# Allegro board iMX6Rex module.brd (continued)
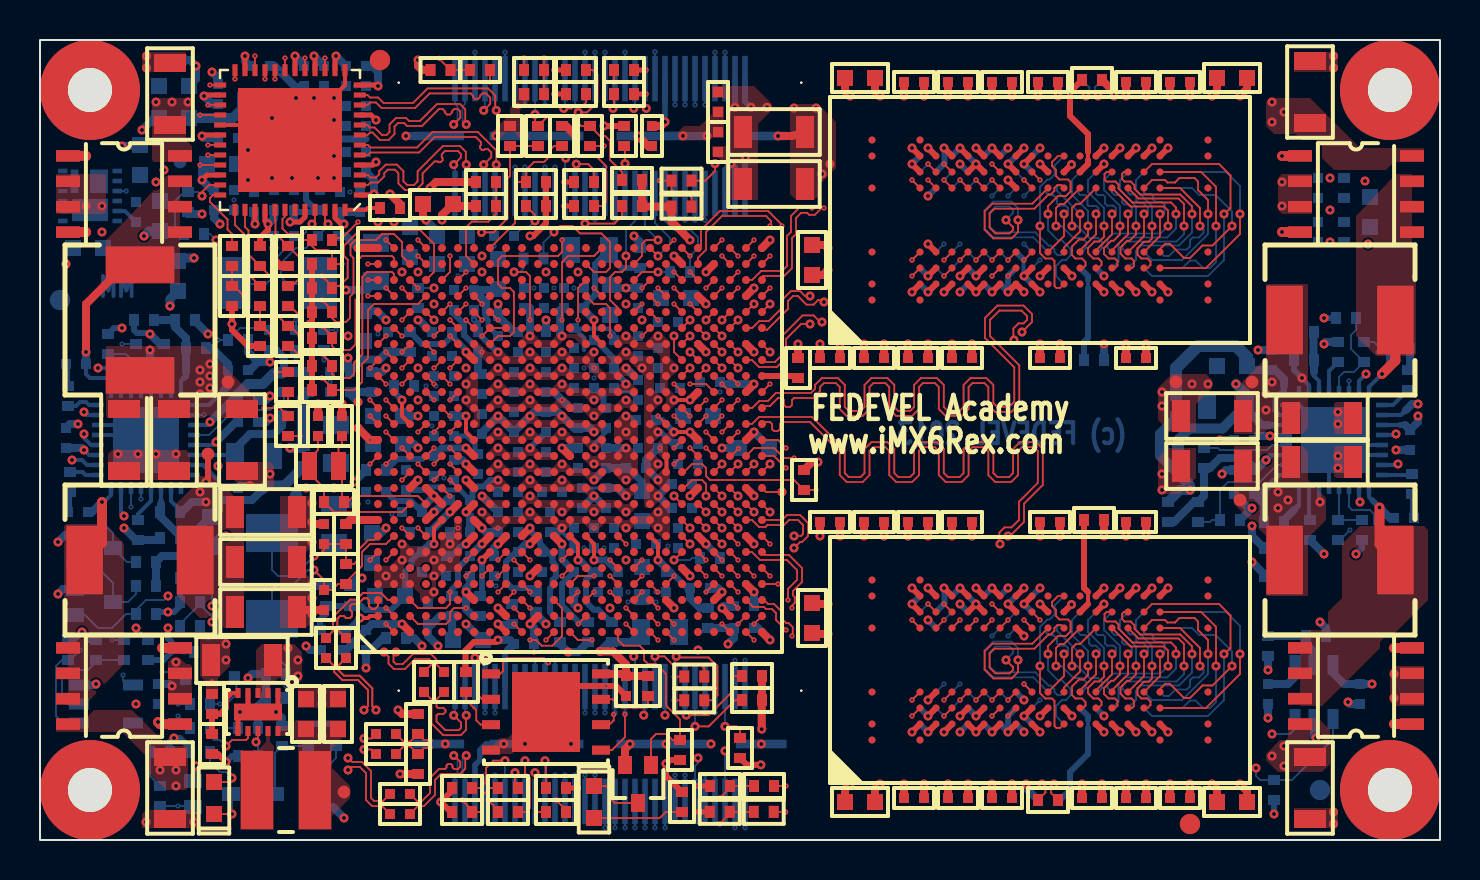
[diagram p0: board, top side]
## Routing (per net, layer and track width the routed paths; a pad name or vN(x,y) marks a point on that pad's centre or on a via; arc(x,y) is an arc through that point) (continued)
DRAM_CLK1_P: length 64
  TOP w0.09: v1(50.7,2.8) 50.55,2.65 50.55,2.35 R3.2 ; U2.J7 49.61,9.81 47.61,9.81 47.23,9.43 47.23,8.52 47.67,8.08 48.58,8.08 48.9,8.4 v1(48.9,9) ; U1.AD14 35.6,20.8 35.95,21.15 38.6,21.15 40.24,19.52 40.24,18.35 40.43,18.15 41.03,18.15 41.23,18.35 41.23,19.55 41.57,19.89 42.37,19.89 42.71,19.55 42.71,18.35 42.91,18.15 43.51,18.15 43.7,18.35 43.7,19.55 44.04,19.89 44.85,19.89 45.19,19.55 45.19,18.35 45.39,18.15 45.98,18.15 46.18,18.35 46.18,19.55 46.52,19.89 47.32,19.89 47.67,19.55 47.67,18.35 47.86,18.15 48.46,18.15 48.65,18.35 48.65,19.55 49,19.89 49.8,19.89 50.14,19.55 50.14,17.76 49.2,16.81 49.2,15.9 48.5,15.2 v1(48.4,15.2)
  L10 w0.085: v1(48.4,15.2) 48.88,14.72 48.88,14.32 49.95,13.25 50.27,13.25 50.65,12.87 50.65,11.15 49.85,10.35 49.85,9.93 49.37,9.45 49.06,9.45 48.9,9.29 v1(48.9,9) 48.8,8.9 48.8,8.6 49.22,8.18 50.41,8.18 51.2,7.4 51.2,4.5 50.5,3.8 50.5,3 v1(50.7,2.8)
  BOTTOM w0.09: v1(48.9,9) 48.9,9.6 48.58,9.92 47.67,9.92 47.23,9.48 47.23,8.57 47.66,8.14 49.66,8.14 U3.J7
DRAM_CS0_B: length 73.8
  TOP w0.093: U4.L2 52.15,28.6 52.27,28.73 52.27,28.9 52.1,29.08 51.77,29.08 51.6,29.25 51.6,29.68 51.95,30.02 52.17,30.02 52.4,30.25 v1(52.4,30.7) ; v1(52.4,8.7) 52.4,8.25 52.17,8.02 51.95,8.02 51.6,7.68 51.6,7.25 51.77,7.08 52.1,7.08 52.27,6.9 52.27,6.73 52.15,6.6 U2.L2 ; v2(31.7,22.8) U1.Y16
  L2 w0.1: v3(31.4,22.5) v2(31.7,22.8)
  L3 w0.08: v3(31.4,22.5) 31.71,22.82 32.41,22.82 32.9,23.3 32.9,24.53 33.14,24.78 36.66,24.78 37.28,24.15 50.4,24.15 50.55,24 50.55,23.75 50.4,23.6 50,23.6 49.85,23.45 49.85,23.2 50,23.05 50.4,23.05 50.55,22.9 50.55,22.65 50.4,22.5 50,22.5 49.85,22.35 49.85,22.1 50,21.95 50.35,21.95 50.5,21.8 50.5,21.55 50.35,21.4 50.1,21.4 v4(50,21.3)
  L10 w0.08: v1(52.4,30.7) 52.4,30.68 52.74,30.34 52.74,29.86 52.91,29.69 53.39,29.69 53.85,29.23 53.85,28.25 54,28.1 54.25,28.1 54.47,28.33 54.75,28.33 54.9,28.18 54.9,27.93 54.75,27.78 54.59,27.78 54.37,27.56 54.37,27.24 54.16,27.03 53.64,27.03 51.87,25.26 51.87,24.43 51.35,23.9 50.76,23.9 49.85,22.99 49.85,22.8 50,22.65 50.35,22.65 50.5,22.5 50.5,22.25 50.35,22.1 49.2,22.1 49.05,21.95 49.05,21.7 49.2,21.55 49.9,21.55 50,21.45 v4(50,21.3) 50,21.1 49.9,21 49.15,21 48.65,20.5 48.65,17.45 49.1,17 49.77,17 51,15.78 51.24,15.78 51.62,15.39 51.62,15 53.62,13 53.62,12.38 53.8,12.2 53.8,11 52.4,9.6 v1(52.4,8.7)
  BOTTOM w0.093: v1(52.4,30.7) 52.4,31.45 51.6,32.25 51.6,33 U5.L2 ; U3.L2 51.6,11 51.6,10.25 52.4,9.45 v1(52.4,8.7)
DRAM_D0: length 17.3
  TOP w0.093: v2(34.9,10.8) U1.AD2 ; v3(46.4,10.6) v2(46.8,11)
  L2 w0.1: v2(34.9,10.8) v3(35.2,11.1) ; v3(46.4,10.6) v2(46.8,11)
  L3 w0.08: v3(46.4,10.6) 46.1,10.9 45.5,10.9 45.2,11.2 45.2,11.4 44.9,11.7 44.29,11.7 44.01,11.43 43.44,11.43 43.22,11.64 43.22,11.98 43,12.2 43,12.65 42.61,13.04 39.66,13.04 39.25,12.63 37.15,12.63 36.8,12.98 35.47,12.98 35,12.51 35,11.3 v3(35.2,11.1)
DRAM_D1: length 17.3
  TOP w0.093: v2(44.4,11.8) v3(44.8,11.4) ; v2(35.7,10.8) U1.AE2
  L2 w0.1: v2(35.7,10.8) v3(36,11.1) ; v2(44.4,11.8) v3(44.8,11.4)
  L3 w0.08: v3(36,11.1) 36,10.8 35.9,10.7 35.7,10.7 35.48,10.92 35.48,11.39 35.6,11.5 35.98,11.5 36.1,11.62 36.1,11.87 35.97,12 35.4,12 35.22,12.17 35.22,12.46 35.55,12.79 36.72,12.79 37.14,12.37 39.38,12.37 39.8,12.79 40.31,12.79 40.5,12.6 40.7,12.6 40.88,12.79 42.53,12.79 42.8,12.52 42.8,11.7 43.34,11.16 44.03,11.16 44.37,11.5 44.7,11.5 v3(44.8,11.4)
DRAM_D2: length 17.3
  TOP w0.093: U1.AC4 v2(34.9,12.4) ; v2(45.2,11.8) v3(45.6,11.4)
  L2 w0.1: v3(34.6,12.1) v2(34.9,12.4) ; v2(45.2,11.8) v3(45.6,11.4)
  L3 w0.08: v3(45.6,11.4) 46.13,11.4 46.42,11.69 46.42,11.98 46.2,12.2 45.8,12.2 45.55,11.95 44,11.95 43.75,12.2 43.4,12.2 43.2,12.4 43.2,13 42.9,13.3 39.6,13.3 39.2,12.9 37.17,12.9 36.88,13.19 35.16,13.19 34.6,12.62 v3(34.6,12.1)
DRAM_D3: length 17.3
  TOP w0.093: U1.AA5 v2(33.3,13.2) ; v2(43.6,7) U2.A3
  L2 w0.1: v2(33.3,13.2) v3(33.6,12.9) ; v3(43.2,6.6) v2(43.6,7)
  L3 w0.08: v3(43.2,6.6) 43.3,6.5 43.3,6.1 42.9,5.7 39.2,5.7 38.5,6.4 37.78,6.4 37,7.18 37,7.74 34.97,9.77 34.97,10.04 34.7,10.31 34.7,10.6 34.52,10.79 34.1,10.79 33.31,11.57 33.31,12.22 33.6,12.5 v3(33.6,12.9)
DRAM_D4: length 17.3
  TOP w0.093: v2(45.2,6.2) v3(45.6,6.6) ; v2(34.1,10.8) U1.AC1
  L2 w0.1: v2(34.1,10.8) v3(34.4,10.5) ; v2(45.2,6.2) v3(45.6,6.6)
  L3 w0.08: v3(45.6,6.6) 45.6,6.7 45.5,6.8 44.9,6.8 44.77,6.68 44.77,5.98 44.57,5.78 44.12,5.78 43.9,6 43.67,6 43.07,5.4 39.1,5.4 38.4,6.1 37.8,6.1 36.7,7.2 36.7,7.67 34.77,9.59 34.77,9.96 34.4,10.33 v3(34.4,10.5)
DRAM_D5: length 17.3
  TOP w0.093: U1.AD1 v2(35.7,10) ; v2(45.2,7) v3(45.6,7.4)
  L2 w0.1: v2(45.2,7) v3(45.6,7.4) ; v3(35.4,10.3) v2(35.7,10)
  L3 w0.08: v3(45.6,7.4) 45.25,7.05 44.88,7.05 44.56,7.38 44.24,7.38 44.17,7.3 43.1,7.3 42.35,6.55 42.35,6.35 42.2,6.2 42,6.2 41.85,6.35 41.85,6.65 41.7,6.8 41.4,6.8 41.25,6.65 41.25,6.35 41.1,6.2 40.8,6.2 40.65,6.35 40.65,6.65 40.5,6.8 40.2,6.8 40.05,6.65 40.05,6.45 39.9,6.3 39.6,6.3 39.3,6.6 39.3,8.01 38.61,8.7 36.9,8.7 35.4,10.2 v3(35.4,10.3)
DRAM_D6: length 17.3
  TOP w0.093: v2(33.3,12.4) U1.AB4 ; v2(43.6,6.2) v3(44,6.6)
  L2 w0.1: v2(43.6,6.2) v3(44,6.6) ; v2(33.3,12.4) v3(33.6,12.1)
  L3 w0.08: v3(33.6,12.1) 33.6,11.57 33.94,11.23 34.16,11.23 34.4,10.98 34.6,10.98 34.9,10.69 34.9,10.4 35.17,10.12 35.17,10.03 36.8,8.4 38.5,8.4 39,7.9 39,6.4 39.45,5.95 42.57,5.95 42.8,6.17 42.8,6.6 43.2,7 43.6,7 v3(44,6.6)
DRAM_D7: length 17.3
  TOP w0.093: v2(43.6,11) v3(44,10.6) ; U1.AE4 v2(36.9,12.8)
  L2 w0.1: v2(43.6,11) v3(44,10.6) ; v3(36.6,12.5) v2(36.9,12.8)
  L3 w0.08: v3(44,10.6) 43.7,10.9 43.1,10.9 42.55,11.45 42.55,12.43 42.4,12.58 42.15,12.58 42,12.43 42,11.67 41.85,11.52 41.6,11.52 41.45,11.67 41.45,12.4 41.3,12.55 41.05,12.55 40.9,12.4 40.9,11.57 40.75,11.42 40.5,11.42 40.35,11.57 40.35,12.4 40.2,12.55 39.95,12.55 39.8,12.4 39.8,11.67 39.56,11.43 39.24,11.43 39,11.67 39,11.9 38.85,12.05 36.25,12.05 36.12,12.17 36.12,12.35 36.28,12.5 v3(36.6,12.5)
DRAM_D8: length 27.6
  TOP w0.093: U1.AD5 v2(35.7,13.2) ; v2(46.8,7) v3(47.2,7.4)
  L2 w0.1: v3(35.4,13.5) v2(35.7,13.2) ; v2(46.8,7) v3(47.2,7.4)
  L3 w0.08: v3(47.2,7.4) 47.2,6.8 47,6.6 46.6,6.6 46.4,6.4 46.4,5.1 46.16,4.86 45.84,4.86 45.6,5.1 45.6,5.6 45.4,5.8 45,5.8 44.8,5.6 44.8,4.9 44.6,4.7 38.7,4.7 34.02,9.38 34.02,10.08 33,11.1 33,12.4 33.3,12.7 33.3,13 33.48,13.19 33.9,13.19 34.08,13 34.5,13 35,13.5 v3(35.4,13.5)
DRAM_D9: length 27.6
  TOP w0.093: v3(48,10.6) v2(48.4,11) ; U1.AE5 v2(36.5,13.2)
  L2 w0.1: v3(48,10.6) v2(48.4,11) ; v3(36.2,13.5) v2(36.5,13.2)
  L3 w0.08: v3(36.2,13.5) 35.9,13.5 35.75,13.65 35.75,13.85 35.9,14 36.3,14 36.7,13.6 36.9,13.6 37.2,13.3 38.7,13.3 39.2,13.8 43.5,13.8 43.7,13.6 43.7,13.08 43.85,12.93 44.1,12.93 44.25,13.08 44.25,13.6 44.4,13.75 44.65,13.75 44.8,13.6 44.8,12.4 45,12.2 45.4,12.2 45.6,12.4 45.6,13.6 45.75,13.75 46,13.75 46.15,13.6 46.15,13.08 46.3,12.93 46.55,12.93 46.7,13.08 46.7,13.6 46.85,13.75 47.05,13.75 47.22,13.58 47.22,11.52 47.1,11.4 46.7,11.4 46.55,11.25 46.55,10.94 46.8,10.69 46.8,10.54 47.03,10.32 48.51,10.32 48.7,10.5 48.7,10.9 48.5,11.1 48.1,11.1 48,11 v3(48,10.6)
DRAM_D10: length 27.6
  TOP w0.093: U1.AA6 v2(33.3,14) ; v2(48.4,6.2) U2.G2
  L2 w0.1: v3(33,14.3) v2(33.3,14) ; v2(48.4,6.2) v3(48.8,5.8)
  L3 w0.08: v3(48.8,5.8) 48.8,5.25 48.4,4.85 48.4,4.3 48,3.9 38.3,3.9 33.27,8.93 33.27,9.66 32.68,10.25 32.3,10.25 32.12,10.43 32.12,13.43 v3(33,14.3)
DRAM_D11: length 27.6
  TOP w0.093: v2(49.2,11) v3(49.6,10.6) ; U1.AE7 v2(36.5,14.8)
  L2 w0.1: v2(49.2,11) v3(49.6,10.6) ; v2(36.5,14.8) v3(36.8,15.1)
  L3 w0.08: v3(36.8,15.1) 36.8,14.97 37.54,14.23 38.06,14.23 38.63,14.8 47.37,14.8 47.77,14.4 48.13,14.4 48.53,14.8 52,14.8 52.8,14 52.8,12 52.6,11.8 52.1,11.8 51.95,11.65 51.95,11.35 52.1,11.2 52.8,11.2 52.95,11.05 52.95,10.75 52.8,10.6 v3(49.6,10.6)
DRAM_D12: length 27.6
  TOP w0.093: U1.AB5 v2(34.1,13.2) ; v2(49.2,7.8) v3(49.6,7.4)
  L2 w0.1: v3(33.8,13.5) v2(34.1,13.2) ; v2(49.2,7.8) v3(49.6,7.4)
  L3 w0.08: v3(49.6,7.4) 49.6,6.87 49.36,6.63 48.57,6.63 48.31,6.89 47.88,6.89 47.17,6.18 47.17,5.24 46.36,4.43 38.56,4.43 33.76,9.23 33.76,9.94 32.71,10.99 32.71,12.5 33.07,12.87 33.07,13.11 33.46,13.5 v3(33.8,13.5)
DRAM_D13: length 27.6
  TOP w0.093: U1.AC5 v2(34.9,13.2) ; v2(47.6,6.2) v3(48,6.6)
  L2 w0.1: v3(34.6,13.5) v2(34.9,13.2) ; v2(47.6,6.2) v3(48,6.6)
  L3 w0.08: v3(48,6.6) 48,5.27 47.6,4.87 47.6,4.4 47.37,4.17 38.45,4.17 33.5,9.12 33.5,9.83 32.42,10.92 32.42,12.59 32.87,13.04 32.87,13.29 33.37,13.79 34.08,13.79 34.37,13.5 v3(34.6,13.5)
DRAM_D14: length 27.6
  TOP w0.093: U1.AB6 v2(34.1,14) ; v2(47.6,11.8) v3(48,11.4)
  L2 w0.1: v2(47.6,11.8) v3(48,11.4) ; v3(33.8,14.3) v2(34.1,14)
  L3 w0.08: v3(48,11.4) 48,11.93 48.29,12.23 50.92,12.23 51.2,12.5 51.2,12.9 51.4,13.1 51.74,13.1 51.95,13.3 51.95,13.87 51.51,14.3 48.8,14.3 48.37,13.87 47.66,13.87 47.23,14.3 38.9,14.3 38.36,13.76 37.37,13.76 37.13,14 37,14 36.57,14.43 35.53,14.43 35.32,14.22 34.98,14.22 34.88,14.32 34.88,14.42 34.7,14.6 34.43,14.6 34.13,14.3 v3(33.8,14.3)
DRAM_D15: length 27.6
  TOP w0.093: U1.AC7 v2(34.9,14.8) ; v3(49.6,11.4) v2(50,11)
  L2 w0.1: v2(34.9,14.8) v3(35.2,14.5) ; v3(49.6,11.4) v2(50,11)
  L3 w0.08: v3(35.2,14.5) 35.2,14.85 35.52,15.17 35.89,15.17 36.37,14.7 36.72,14.7 37.42,13.99 38.19,13.99 38.75,14.55 47.3,14.55 47.72,14.13 48.23,14.13 48.65,14.55 51.85,14.55 52.5,13.9 52.5,12.3 52.3,12.1 52.1,12.1 51.8,12.4 51.5,12.4 51.2,12.1 51.2,11 51.05,10.85 50.75,10.85 50.6,11 50.6,11.2 50.4,11.4 v3(49.6,11.4)
DRAM_D16: length 28.5
  TOP w0.093: U1.AB7 v1(34.1,14.8)
  L10 w0.08: v5(47.2,10.6) 46.37,11.43 46.37,13.13 44.91,14.59 44.11,14.59 43.77,14.93 43.77,15.5 41.24,18.04 39.94,18.04 39.54,18.43 39.54,18.95 39.22,19.28 37.15,19.28 37.04,19.39 34.41,19.39 34.26,19.23 33.97,19.23 33.45,18.7 32.55,18.7 32.4,18.55 32.4,18.3 32.55,18.15 33.7,18.15 33.85,18 33.85,17.75 33.7,17.6 33.07,17.6 32.93,17.45 32.93,17.04 33.19,16.78 33.46,16.78 33.72,16.51 33.72,15.38 34.1,15 v1(34.1,14.8)
  L11 w0.1: v6(47.6,11) v5(47.2,10.6)
  BOTTOM w0.093: v5(47.2,10.6) v6(47.6,11)
DRAM_D17: length 28.6
  TOP w0.093: U1.AA8 v1(33.3,15.6)
  L10 w0.08: v1(33.3,15.6) 33.52,15.38 33.52,15.12 33.7,14.94 33.7,14.18 34.67,13.21 34.67,11.73 35.9,10.5 35.9,9.78 36.8,8.88 36.8,6.9 40.2,3.5 47.7,3.5 48.05,3.85 48.05,4.25 47.9,4.4 47.7,4.4 47.55,4.55 47.55,4.85 47.7,5 48.53,5 48.77,5.24 48.77,5.56 48.53,5.8 v5(48,5.8)
  L11 w0.1: v6(47.6,6.2) v5(48,5.8)
  BOTTOM w0.093: v6(47.6,6.2) U3.F8
DRAM_D18: length 28.5
  TOP w0.093: U1.AB9 v1(34.1,16.4)
  L10 w0.08: v5(49.6,7.4) 49.07,7.4 48.67,7 48,7 47.17,6.18 47.17,6.04 46.96,5.82 46.69,5.82 46.4,5.53 46.4,4.8 45.7,4.1 41.47,4.1 41.3,4.27 41.3,4.6 41.15,4.75 40.85,4.75 40.7,4.6 40.7,4.4 40.55,4.25 40.25,4.25 39.6,4.9 39.6,6.7 39.39,6.91 39.39,7.64 35.1,11.93 35.1,13.45 34.55,14 34.55,14.3 34.7,14.45 34.7,15.18 34.47,15.4 34.47,15.76 34.1,16.13 v1(34.1,16.4)
  L11 w0.1: v6(49.2,7.8) v5(49.6,7.4)
  BOTTOM w0.093: v6(49.2,7.8) v5(49.6,7.4)
DRAM_D19: length 28.5
  TOP w0.093: v1(31.7,17.2) U1.Y9
  L10 w0.08: v5(49.6,11.4) 49.3,11.4 48.9,11 47.8,11 47.6,11.2 47.6,11.6 48.02,12.03 48.02,12.76 47.5,13.28 47.5,13.7 47.3,13.9 47.1,13.9 46.89,13.69 46.69,13.69 46.49,13.89 46.49,14.09 46.6,14.2 46.6,14.4 46.4,14.6 45.67,14.6 44.94,15.33 44.8,15.33 40.35,19.78 35.42,19.78 35.12,20.08 34.72,20.08 34.62,20.18 33.33,20.18 32.86,19.7 31.9,19.7 31.7,19.5 v1(31.7,17.2)
  L11 w0.1: v6(49.2,11) v5(49.6,11.4)
  BOTTOM w0.093: v6(49.2,11) U3.H3
DRAM_D20: length 28.5
  TOP w0.093: U1.Y7 v1(32.5,14.8)
  L10 w0.08: v5(49.6,6.6) 49.6,5.1 49,4.5 49,4.2 48,3.2 40.1,3.2 36.5,6.8 36.5,8.9 35.7,9.7 35.7,10.42 34.47,11.64 34.47,13.03 32.71,14.8 v1(32.5,14.8)
  L11 w0.1: v5(49.6,6.6) v6(50,7)
  BOTTOM w0.093: v5(49.6,6.6) v6(50,7)
DRAM_D21: length 28.6
  TOP w0.093: U1.Y8 v1(32.5,15.6)
  L10 w0.08: v5(48.8,11.4) 48.8,12.73 46.71,14.83 46.42,14.83 46.1,15.15 46.1,15.33 45.86,15.58 44.92,15.58 40.47,20.03 35.54,20.03 35.19,20.38 33.25,20.38 32.88,20 31.8,20 31.3,19.5 31.3,16.93 32.5,15.73 v1(32.5,15.6)
  L11 w0.1: v6(48.4,11) v5(48.8,11.4)
  BOTTOM w0.093: v5(48.8,11.4) v6(48.4,11)
DRAM_D22: length 28.5
  TOP w0.093: U1.AC8 v1(34.9,15.6)
  L10 w0.08: v5(48,7.4) 47.8,7.2 47.7,7.2 47.1,6.6 46.67,6.6 46.42,6.36 46.42,6.09 46.16,5.82 45.89,5.82 45.57,5.51 45.57,4.55 45.42,4.4 45.2,4.4 45.05,4.55 45.05,4.85 44.9,5 44.65,5 44.5,4.85 44.5,4.55 44.35,4.4 44.1,4.4 43.95,4.55 43.95,4.85 43.8,5 43.55,5 43.4,4.85 43.4,4.55 43.25,4.4 43,4.4 42.85,4.55 42.85,5.15 42.7,5.3 42.45,5.3 42.3,5.15 42.3,4.55 42.15,4.4 41.9,4.4 41.75,4.55 41.75,5.15 41.6,5.3 40.8,5.3 40.35,4.85 40.05,4.85 39.9,5 39.9,6.9 39.7,7.1 39.7,7.7 35.3,12.1 35.3,13.8 34.9,14.2 v1(34.9,15.6)
  L11 w0.1: v5(48,7.4) v6(48.4,7)
  BOTTOM w0.093: v5(48,7.4) v6(48.4,7)
DRAM_D23: length 28.6
  TOP w0.093: U1.AA9 v1(33.3,16.4)
  L10 w0.08: v1(33.3,16.4) 33.3,16.1 33.2,16 32.6,16 32.12,16.48 32.12,17.5 32,17.63 32,19.2 32.2,19.4 32.5,19.4 32.8,19.1 33.3,19.1 33.5,19.3 33.5,19.78 33.7,19.98 34.4,19.98 34.6,19.78 35.12,19.78 35.31,19.58 37.12,19.58 37.18,19.52 40.24,19.52 40.55,19.21 40.55,19.01 40.38,18.84 40.01,18.84 39.86,18.69 39.86,18.44 40.03,18.26 41.38,18.26 44.02,15.62 44.02,15.04 44.24,14.83 45.11,14.83 47.2,12.73 v5(47.2,11.4)
  L11 w0.1: v5(47.2,11.4) v6(47.6,11.8)
  BOTTOM w0.093: v6(47.6,11.8) U3.F2
DRAM_D24: length 19.9
  TOP w0.093: U1.AE9 v1(36.5,16.4)
  L10 w0.08: v5(46.4,7.4) 45.9,6.9 45.03,6.9 44.56,7.38 44.24,7.38 43.77,6.9 43.18,6.9 43.06,7.02 43.06,7.4 42.91,7.55 42.65,7.55 42.3,7.2 42.05,7.2 41.9,7.35 41.9,7.61 42.05,7.76 42.05,8.01 41.9,8.16 41.65,8.16 41.43,7.94 41.23,7.94 36.67,12.49 36.67,13.86 36.38,14.15 36.38,14.93 36.21,15.1 36.21,16.01 36.5,16.3 v1(36.5,16.4)
  L11 w0.1: v5(46.4,7.4) v6(46.8,7)
  BOTTOM w0.093: v6(46.8,7) v5(46.4,7.4)
DRAM_D25: length 19.9
  TOP w0.093: v1(33.3,17.2) 33.3,17.8 33.1,18 32.6,18 32.2,17.6 U1.Y10
  L10 w0.08: v5(43.2,6.6) 42.86,6.94 41.9,6.94 36.47,12.36 36.47,12.72 36.38,12.81 36.38,13.8 36.18,14 36.18,14.85 35.91,15.12 35.91,16.08 36.1,16.27 36.1,16.53 35.83,16.8 33.97,16.8 33.57,17.2 v1(33.3,17.2)
  L11 w0.1: v5(43.2,6.6) v6(43.6,7)
  BOTTOM w0.093: v6(43.6,7) U3.A7
DRAM_D26: length 19.8
  TOP w0.093: U1.AE11 v1(36.5,18.8)
  L10 w0.08: v5(45.6,10.6) 45.6,10.5 45.7,10.4 45.98,10.4 46.1,10.52 46.1,10.9 45.88,11.12 45.48,11.12 45.31,11.28 45.31,11.95 44.82,12.44 44.82,12.71 44.1,13.43 44.1,13.56 42.77,14.89 42.77,15.49 41.05,17.22 40.8,17.22 40.65,17.07 40.65,16.8 40.5,16.65 40.25,16.65 40.1,16.8 40.1,17.17 39.95,17.32 39.7,17.32 39.55,17.17 39.55,16.5 39.4,16.35 39.15,16.35 39,16.5 39,17.27 39.28,17.54 39.28,17.86 38.81,18.33 38.66,18.33 38.29,18.7 37.02,18.7 36.92,18.8 v1(36.5,18.8)
  L11 w0.1: v6(46,11) v5(45.6,10.6)
  BOTTOM w0.093: v6(46,11) v5(45.6,10.6)
DRAM_D27: length 19.8
  TOP w0.093: U1.AB11 v1(34.1,18.8)
  L10 w0.08: v1(34.1,18.8) 34.37,18.8 34.74,19.18 36.82,19.18 37.1,18.9 38.37,18.9 38.74,18.52 38.97,18.52 39.9,17.6 40.18,17.6 40.29,17.49 40.64,17.49 40.75,17.6 41,17.6 43.02,15.58 43.02,15.04 44.07,14 44.32,14 44.53,14.21 44.8,14.21 44.95,14.06 44.95,13.79 44.63,13.47 44.63,13.2 44.78,13.05 45.05,13.05 45.35,13.35 45.65,13.35 45.8,13.2 45.8,12.93 45.6,12.73 45.6,12.47 45.78,12.28 45.78,12.12 45.6,11.93 v5(45.6,11.4)
  L11 w0.1: v6(45.2,11) v5(45.6,11.4)
  BOTTOM w0.093: v6(45.2,11) v5(45.6,11.4)
DRAM_D28: length 19.8
  TOP w0.093: U1.AC9 v1(34.9,16.4)
  L10 w0.08: v5(45.6,6.6) 44.77,5.78 41.12,5.78 40.4,6.5 40.4,7.75 36.07,12.08 36.07,12.56 35.8,12.83 35.8,13.7 35.12,14.38 35.12,15.04 35.28,15.19 35.28,16.03 v1(34.9,16.4)
  L11 w0.1: v5(45.6,6.6) v6(46,7)
  BOTTOM w0.093: v5(45.6,6.6) v6(46,7)
DRAM_D29: length 19.8
  TOP w0.093: U1.AD9 v1(35.7,16.4)
  L10 w0.08: v1(35.7,16.4) 35.7,16.2 35.6,16.1 35.6,15.23 35.32,14.96 35.32,14.58 36.09,13.81 36.09,12.82 36.28,12.64 36.28,12.23 40.7,7.8 40.7,6.53 40.93,6.3 41.15,6.3 41.55,6.7 41.8,6.7 41.95,6.55 41.95,6.15 42.1,6 42.35,6 42.5,6.15 42.5,6.3 42.65,6.45 42.9,6.45 43.05,6.3 43.05,6.15 43.2,6 43.75,6 43.9,6.15 43.9,6.5 44,6.6 v5(44.8,6.6)
  L11 w0.1: v5(44.8,6.6) v6(45.2,6.2)
  BOTTOM w0.093: v5(44.8,6.6) v6(45.2,6.2)
DRAM_D30: length 19.8
  TOP w0.093: U1.AD11 v1(35.7,18.8)
  L10 w0.08: v1(35.7,18.8) 35.97,18.8 36.34,18.43 37.13,18.43 37.46,18.1 37.7,18.1 38,18.4 38.24,18.4 38.52,18.12 38.52,17.87 38.22,17.58 38.22,17.33 38.52,17.03 38.52,16.56 38.98,16.1 39.8,16.1 40.1,16.4 40.6,16.4 40.95,16.75 41.18,16.75 42.57,15.36 42.57,14.98 42.4,14.8 42,14.8 41.85,14.65 41.85,14.35 42,14.2 43.1,14.2 43.6,13.7 43.6,13.13 43.97,12.76 43.97,12.13 44.1,12 44.9,12 45.05,11.85 45.05,11.55 44.9,11.4 v5(44,11.4)
  L11 w0.1: v5(44,11.4) v6(44.4,11.8)
  BOTTOM w0.093: v5(44,11.4) v6(44.4,11.8)
DRAM_D31: length 19.8
  TOP w0.093: U1.AC11 v1(34.9,18.8)
  L10 w0.08: v1(34.9,18.8) 35.17,18.8 35.54,18.43 36.06,18.43 36.29,18.2 37,18.2 38.2,17 38.2,16.5 38.86,15.84 40.14,15.84 40.42,16.13 41.47,16.13 41.63,15.98 41.63,15.73 41.47,15.58 40.77,15.58 40.6,15.4 40.6,15.02 40.79,14.83 41.28,14.83 41.6,14.5 41.6,14.2 42.1,13.7 42.1,13.2 42.25,13.05 42.55,13.05 42.7,13.2 42.7,13.6 42.85,13.75 43.15,13.75 43.3,13.6 43.3,12.88 43.22,12.8 43.22,11.64 44,10.87 v5(44,10.6)
  L11 w0.1: v6(43.6,11) v5(44,10.6)
  BOTTOM w0.093: v6(43.6,11) v5(44,10.6)
DRAM_D32: length 31.9
  TOP w0.093: U1.AA17 v1(33.3,23.6)
  L10 w0.08: v1(33.3,23.6) 32.87,24.03 32.87,24.56 32.61,24.83 32.34,24.83 32.07,25.09 32.07,26.21 32.23,26.37 32.23,26.57 31.62,27.18 31.62,27.38 31.77,27.53 31.97,27.53 32.6,26.9 32.8,26.9 33.02,27.13 33.02,27.28 32.37,27.93 32.37,28.13 32.52,28.28 32.72,28.28 33.3,27.7 33.5,27.7 33.72,27.93 33.72,29.4 38.23,33.9 38.58,33.9 38.73,33.75 38.98,33.75 39.13,33.9 39.13,34.73 39.28,34.88 39.53,34.88 39.68,34.73 39.68,34.52 39.8,34.4 42.87,34.4 43.02,34.55 43.02,34.9 43.17,35.05 43.81,35.05 43.97,34.89 43.97,34.49 44.57,33.9 45.57,33.9 45.84,34.18 46.16,34.18 46.37,33.96 46.37,33.03 46.8,32.6 v5(47.2,32.6)
  L11 w0.1: v5(47.2,32.6) v6(47.6,33)
  BOTTOM w0.093: v5(47.2,32.6) v6(47.6,33)
DRAM_D33: length 31.9
  TOP w0.093: v1(32.5,24.4) U1.AA18
  L10 w0.08: v5(48.8,33.4) 48.8,34 48.57,34.22 47.44,34.22 47.22,34.44 47.22,34.76 47.44,34.98 48.56,34.98 48.7,35.12 48.7,35.45 48.55,35.6 45.6,35.6 45.3,35.3 45,35.3 44.7,35.6 39.1,35.6 31.2,27.7 31.2,26.5 31.3,26.4 31.3,24.7 31.8,24.2 32.3,24.2 v1(32.5,24.4)
  L11 w0.1: v5(48.8,33.4) v6(49.2,33)
  BOTTOM w0.093: v6(49.2,33) v5(48.8,33.4)
DRAM_D34: length 31.9
  TOP w0.093: U1.AC18 v1(34.9,23.6)
  L10 w0.08: v5(48,28.6) 48,28.59 47.17,27.76 47.17,26.98 45.22,25.03 45.22,24.33 44.82,23.93 43.12,23.93 42.53,23.33 42.53,21.33 42.15,20.95 41.85,20.95 41.7,21.1 41.7,22 41.55,22.15 41.25,22.15 41.1,22 41.1,21.1 40.95,20.95 40.65,20.95 40.5,21.1 40.5,22 40.35,22.15 40.05,22.15 39.9,22 39.9,21.1 39.75,20.95 39.45,20.95 39.3,21.1 39.3,22 39.15,22.15 38.85,22.15 38.7,22 38.7,21.1 38.55,20.95 38.25,20.95 38.1,21.1 38.1,21.8 37.95,21.95 37.65,21.95 37.5,21.8 37.5,21.2 37.3,21 37.1,21 36.6,21.5 33.88,21.5 33.68,21.7 33.68,22.89 34.02,23.22 34.52,23.22 v1(34.9,23.6)
  L11 w0.1: v6(47.6,28.2) v5(48,28.6)
  BOTTOM w0.093: v6(47.6,28.2) v5(48,28.6)
DRAM_D35: length 31.9
  TOP w0.093: U1.AE19 v1(36.5,24.4)
  L10 w0.08: v5(48.8,29.4) 48.4,29.4 47.8,30 47,30 46.68,29.68 46.68,29.28 46.37,28.97 46.37,27.97 46.18,27.78 45.84,27.78 45.62,27.56 45.62,26.98 45.87,26.73 45.87,26.48 45.72,26.33 45.47,26.33 45.17,26.63 44.92,26.63 44.77,26.48 44.77,24.58 44.63,24.43 42.82,24.43 42.12,23.73 37.17,23.73 37.02,23.58 37.02,23.33 37.17,23.18 38.22,23.18 38.37,23.03 38.37,22.68 38.22,22.53 36.8,22.53 36.62,22.7 36.62,23.18 36.47,23.33 36.22,23.33 36.07,23.18 36.07,22.48 35.7,22.1 34.3,22.1 34.15,22.25 34.15,22.55 34.3,22.7 34.91,22.7 35.6,23.39 35.6,23.8 35.7,23.9 36.7,23.9 36.8,24 36.8,24.3 36.7,24.4 v1(36.5,24.4)
  L11 w0.1: v5(48.8,29.4) v6(49.2,29.8)
  BOTTOM w0.093: v6(49.2,29.8) U5.H7
DRAM_D36: length 31.9
  TOP w0.093: U1.Y17 v1(32.5,23.6)
  L10 w0.08: v1(32.5,23.6) 32.12,23.98 31.59,23.98 30.52,25.04 30.52,25.4 30.95,25.83 30.95,27.85 39,35.9 48.57,35.9 49.6,34.88 v5(49.6,32.6)
  L11 w0.1: v6(49.2,32.2) v5(49.6,32.6)
  BOTTOM w0.093: v6(49.2,32.2) v5(49.6,32.6)
DRAM_D37: length 31.9
  TOP w0.093: v1(31.7,25.2) 31.7,24.4 U1.Y18
  L10 w0.08: v1(31.7,25.2) 31.5,25.4 31.5,25.8 31.8,26.1 31.8,26.6 31.42,26.98 31.42,27.52 39.2,35.3 39.8,35.3 39.95,35.15 39.95,34.75 40.1,34.6 40.35,34.6 40.5,34.75 40.5,35.15 40.65,35.3 40.9,35.3 41.05,35.15 41.05,34.75 41.2,34.6 41.45,34.6 41.6,34.75 41.6,35.15 41.75,35.3 42,35.3 42.15,35.15 42.15,34.75 42.3,34.6 42.52,34.6 42.67,34.75 42.67,35.15 42.82,35.3 44.3,35.3 44.8,34.8 44.8,34.4 45.03,34.17 45.37,34.17 45.6,34.4 45.6,35.17 45.8,35.37 46.2,35.37 46.4,35.17 46.4,34.47 46.64,34.22 46.91,34.22 47.17,33.96 47.17,33.22 47.4,33 47.9,33 48,33.1 v5(48,33.4)
  L11 w0.1: v6(47.6,33.8) v5(48,33.4)
  BOTTOM w0.093: v6(47.6,33.8) v5(48,33.4)
DRAM_D38: length 31.9
  TOP w0.093: U1.AB19 v1(34.1,24.4)
  L10 w0.08: v5(49.6,28.6) 49.07,28.6 48.82,28.36 48.82,27.29 48.56,27.03 48.12,27.03 46.2,25.1 46.2,24.4 45.2,23.4 43.4,23.4 43,23 43,20.8 42.7,20.5 42.3,20.5 42.1,20.3 42.1,20.15 41.9,19.95 41.4,19.95 41.2,20.15 41.2,20.3 41,20.5 36.5,20.5 36.2,20.8 31.75,20.8 31.3,21.25 31.3,22.8 31.7,23.2 33.43,23.2 33.67,23.44 33.67,23.98 v1(34.1,24.4)
  L11 w0.1: v5(49.6,28.6) v6(50,29)
  BOTTOM w0.093: v5(49.6,28.6) v6(50,29)
DRAM_D39: length 31.9
  TOP w0.093: U1.AC19 v1(34.9,24.4)
  L10 w0.08: v5(48,29.4) 47.7,29.7 47.1,29.7 46.91,29.52 46.91,29 47.2,28.72 47.2,28.07 46.91,27.78 46.64,27.78 46.42,27.56 46.42,26.63 45.02,25.22 45.02,24.53 44.67,24.18 42.97,24.18 42.3,23.5 42.3,22.4 42.15,22.25 41.85,22.25 41.7,22.4 41.7,23.3 41.55,23.45 41.25,23.45 41.1,23.3 41.1,22.4 40.95,22.25 40.65,22.25 40.5,22.4 40.5,23.3 40.35,23.45 40.05,23.45 39.9,23.3 39.9,22.4 39.75,22.25 39.45,22.25 39.3,22.4 39.3,23.3 39.15,23.45 38.85,23.45 38.7,23.3 38.7,22.5 38.4,22.2 37.36,22.2 36.96,21.8 36.6,21.8 36.37,22.03 36.02,22.03 35.8,21.8 34.1,21.8 33.92,21.98 33.92,22.72 34.1,22.9 34.82,22.9 35.27,23.35 35.27,24.03 v1(34.9,24.4)
  L11 w0.1: v5(48,29.4) v6(48.4,29)
  BOTTOM w0.093: v5(48,29.4) v6(48.4,29)
DRAM_D40: length 18.4
  TOP w0.093: U1.Y19 v1(32.5,25.2)
  L10 w0.08: v1(32.5,25.2) 32.5,25.3 32.82,25.63 34.21,25.63 34.43,25.4 35.8,25.4 36,25.2 38.12,25.2 38.22,25.1 38.77,25.1 38.84,25.18 41.57,25.18 42,25.6 42.3,25.6 42.7,26 42.7,26.52 43.15,26.97 43.15,27.48 44.57,28.9 45.9,28.9 v5(46.4,29.4)
  L11 w0.1: v5(46.4,29.4) v6(46.8,29)
  BOTTOM w0.093: v5(46.4,29.4) v6(46.8,29)
DRAM_D41: length 18.5
  TOP w0.093: U1.AB20 v1(34.1,25.2)
  L10 w0.08: v5(44.8,28.6) 45,28.6 45.1,28.5 45.1,28.2 44.7,27.8 44.2,27.8 44.02,27.63 44.02,25.63 43.87,25.48 43.63,25.48 43.47,25.63 43.47,26.4 43.32,26.55 43.07,26.55 42.92,26.4 42.92,25.63 42.47,25.18 42.04,25.18 41.73,24.86 41.73,24.63 41.52,24.43 41.04,24.43 40.87,24.6 40.37,24.6 40.2,24.43 37.29,24.43 36.71,25 35.8,25 35.71,25.09 34.21,25.09 v1(34.1,25.2)
  L11 w0.1: v5(44.8,28.6) v6(45.2,28.2)
  BOTTOM w0.093: v5(44.8,28.6) v6(45.2,28.2)
DRAM_D42: length 18.4
  TOP w0.093: v1(33.3,26) U1.AB21
  L10 w0.08: v1(33.3,26) 33.31,26 34.4,27.09 34.4,28.8 38.3,32.7 39.38,32.7 40.26,33.57 43.29,33.57 43.44,33.43 43.57,33.43 43.88,33.11 44.12,33.11 44.4,33.4 v5(45.6,33.4)
  L11 w0.1: v6(45.2,33) v5(45.6,33.4)
  BOTTOM w0.093: v6(45.2,33) v5(45.6,33.4)
DRAM_D43: length 18.4
  TOP w0.093: U1.AD21 v1(35.7,26.8)
  L10 w0.08: v1(35.7,26.8) 35.43,26.8 35.28,26.64 35.28,25.83 35.5,25.6 36,25.6 36.15,25.45 38.22,25.45 38.34,25.33 38.66,25.33 38.73,25.4 39.3,25.4 39.5,25.6 39.5,26.6 39.65,26.75 39.9,26.75 40.05,26.6 40.05,25.55 40.2,25.4 40.45,25.4 40.6,25.55 40.6,26.3 40.75,26.45 41,26.45 41.15,26.3 41.15,25.75 41.3,25.6 41.55,25.6 41.7,25.75 41.7,26.3 41.85,26.45 42.25,26.45 42.95,27.15 42.95,28.05 44,29.1 v5(44,29.4)
  L11 w0.1: v6(43.6,29) v5(44,29.4)
  BOTTOM w0.093: v6(43.6,29) v5(44,29.4)
DRAM_D44: length 18.4
  TOP w0.093: U1.Y20 v1(32.5,26)
  L10 w0.08: v1(32.5,26) 32.93,26.43 33.46,26.43 33.67,26.64 33.67,27.08 34.2,27.6 34.2,29.05 38.05,32.9 39.23,32.9 40.23,33.9 43,33.9 43.27,34.18 43.82,34.18 44.1,33.9 44.1,33.5 v5(44,33.4)
  L11 w0.1: v5(44,33.4) v6(44.4,33.8)
  BOTTOM w0.093: v5(44,33.4) v6(44.4,33.8)
DRAM_D45: length 18.4
  TOP w0.093: U1.AA20 v1(33.3,25.2)
  L10 w0.08: v1(33.3,25.2) 33.3,24.9 33.42,24.78 36.66,24.78 37.23,24.2 41.77,24.2 42,24.43 42.36,24.43 42.79,24.86 42.79,25.14 42.96,25.3 43.5,25.3 43.8,25 44.07,25 44.3,25.23 44.3,26.9 44.4,27 44.7,27 44.82,27.13 44.82,27.6 45.02,27.8 45.4,27.8 45.6,28 v5(45.6,28.6)
  L11 w0.1: v5(45.6,28.6) v6(46,29)
  BOTTOM w0.093: v5(45.6,28.6) v6(46,29)
DRAM_D46: length 18.5
  TOP w0.093: U1.AE21 v1(36.5,26.8)
  L10 w0.08: v5(43.2,32.6) 42.5,32.6 42.2,32.3 42,32.3 41.7,32.6 40.4,32.6 39.8,32 38.8,32 37.4,30.6 37.4,30.09 36.71,29.4 36.2,29.4 35.3,28.5 35.3,27.4 35.47,27.22 35.81,27.22 36.07,26.96 36.07,25.93 36.3,25.7 37.4,25.7 37.6,25.9 37.6,26.1 37.4,26.3 36.6,26.3 36.5,26.4 v1(36.5,26.8)
  L11 w0.1: v5(43.2,32.6) v6(43.6,33)
  BOTTOM w0.093: v6(43.6,33) U5.A3
DRAM_D47: length 18.4
  TOP w0.093: v1(34.1,26) U1.AC21
  L10 w0.08: v1(34.1,26) 34.6,26.5 34.6,28.63 38.47,32.5 39.5,32.5 40.25,33.25 43.34,33.25 43.81,32.78 44.47,32.78 44.8,33.1 45.6,33.1 45.8,32.9 45.8,32.8 v5(45.6,32.6)
  L11 w0.1: v5(45.6,32.6) v6(46,33)
  BOTTOM w0.093: v5(45.6,32.6) v6(46,33)